# Altium PCB PCB2.PcbDoc
Units mm, origin at the board's own origin, x right, y up, seen from the top; angles counter-clockwise.
Board outline 29.7 x 75.2 mm, 2 copper layers (Top Layer, Bottom Layer); 92 components, 67 nets, 295 pads, 148 vias.
Unrouted connection lines stored in the file: 2.
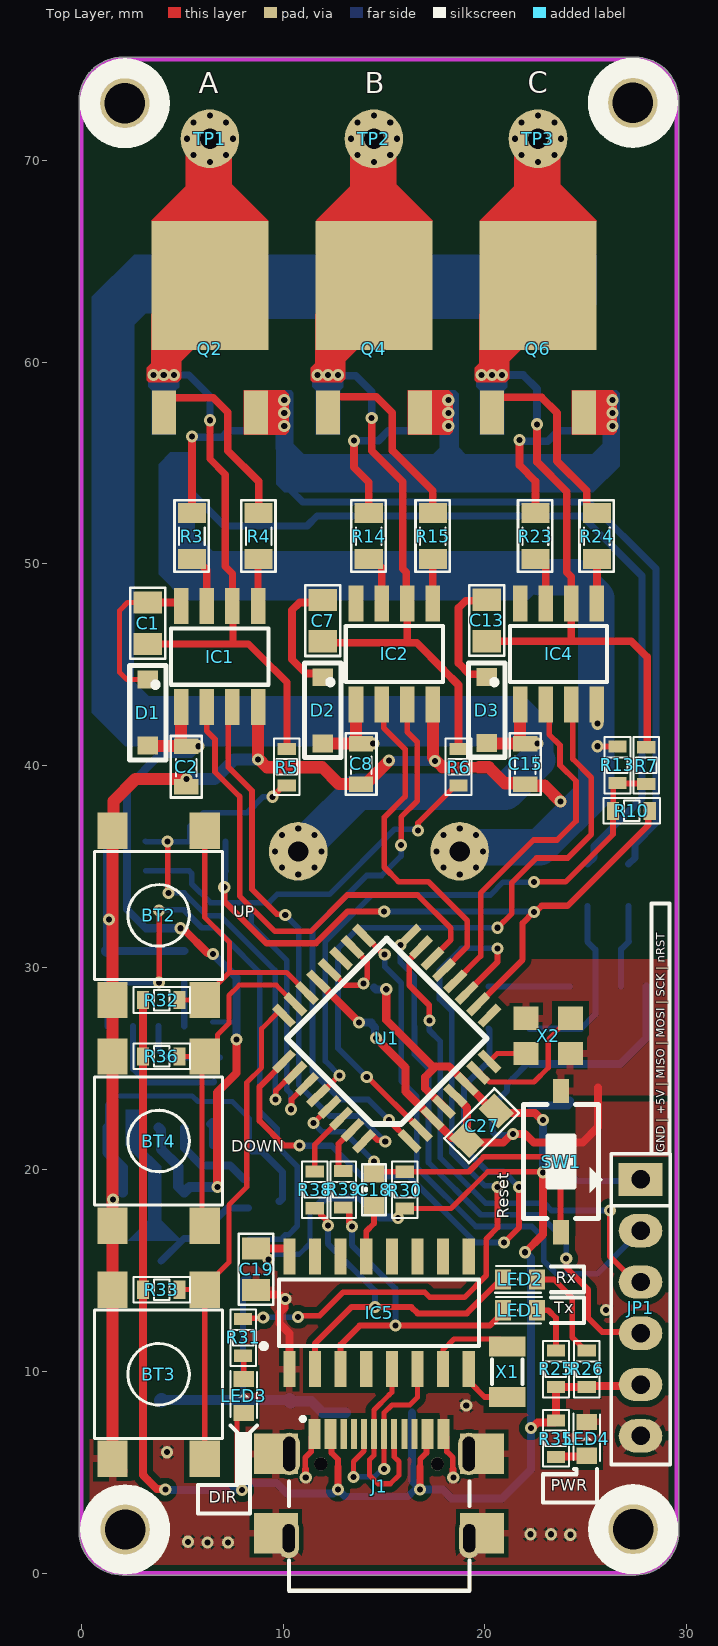
[diagram p0: Top Layer view]
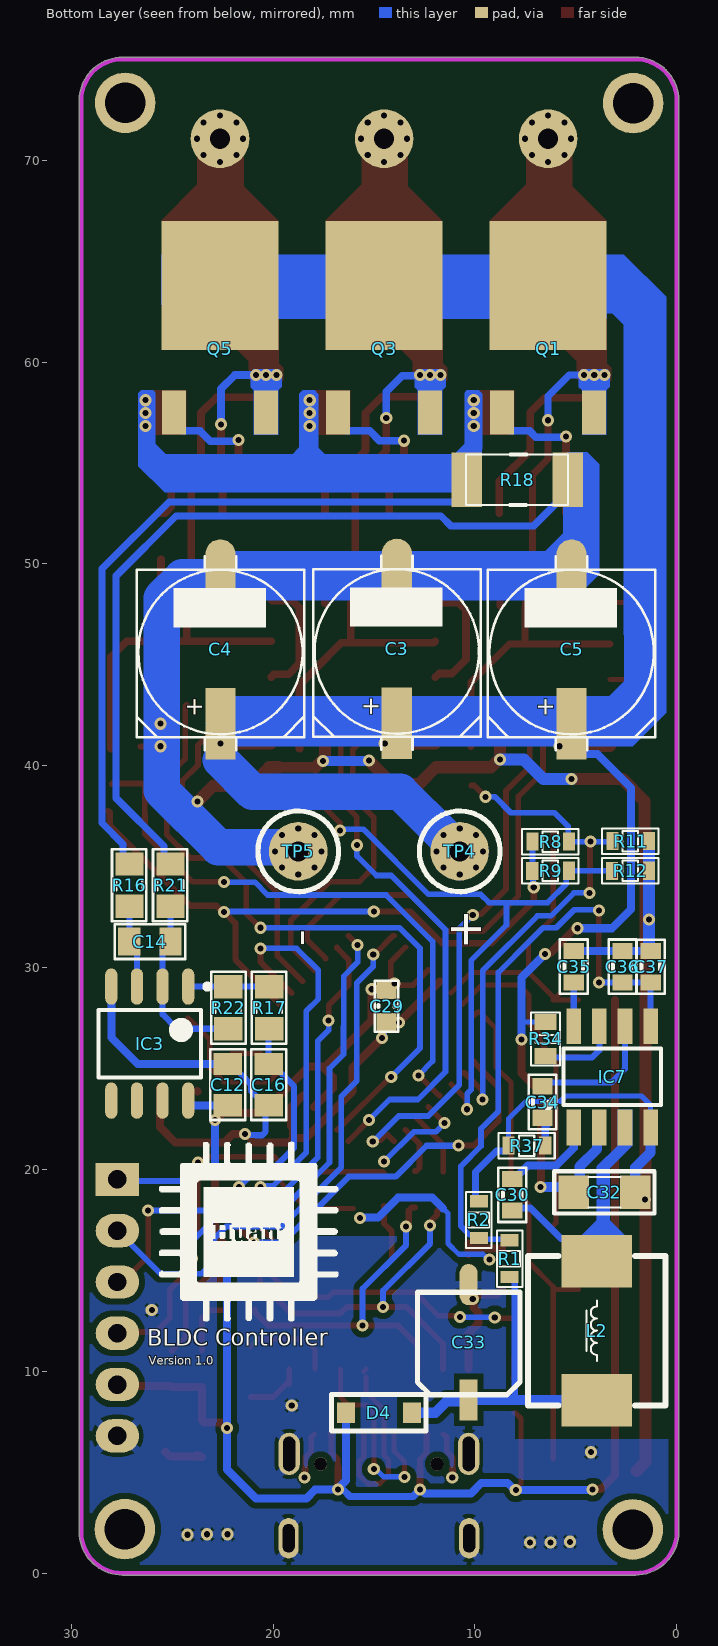
[diagram p1: Bottom Layer view, seen from below]
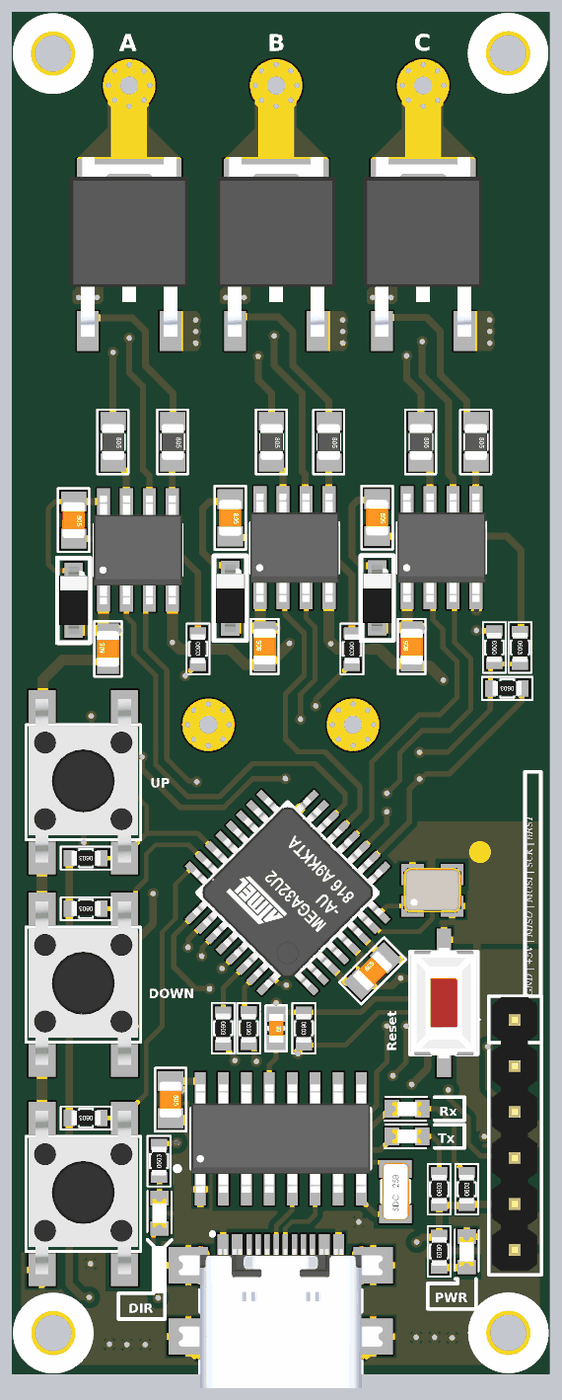
[diagram p2: 3D render of the assembled board from above, using the file's embedded part models]
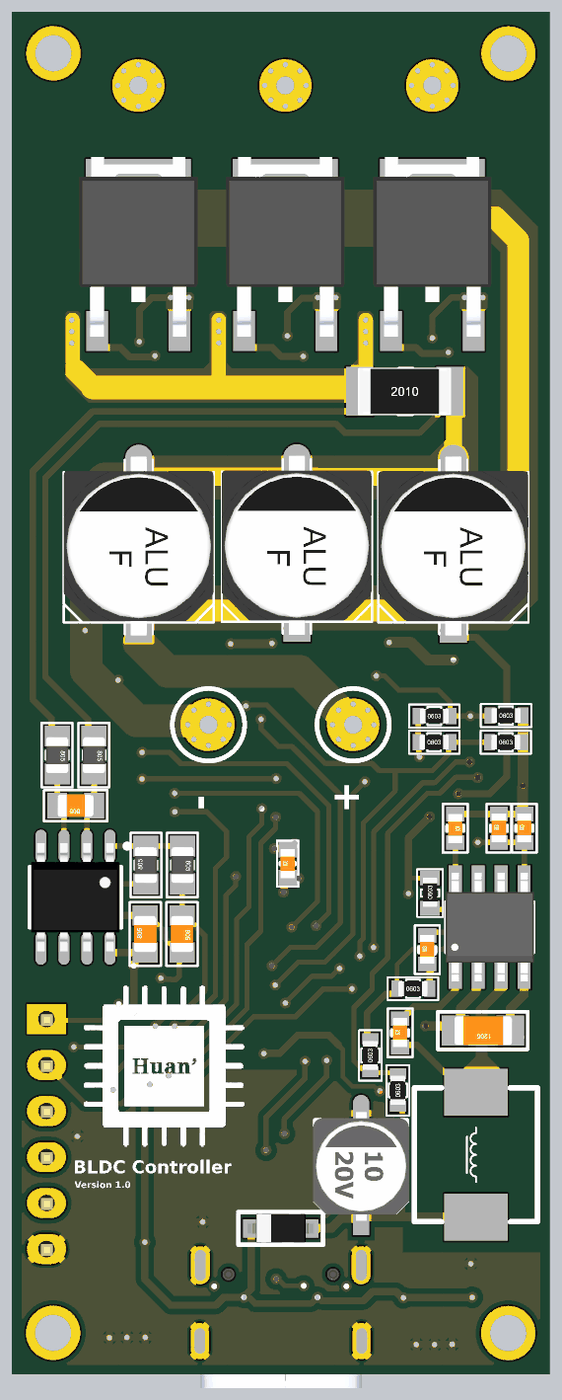
[diagram p3: 3D render of the assembled board from below, using the file's embedded part models]

## Layer stack, top to bottom
Top Solder: solder mask 0.0102, Solder Resist, Dk 3.5
Top Layer: signal copper 0.0356
Dielectric 1: dielectric 0.32, FR-4, Dk 4.8
Bottom Layer: signal copper 0.0356
Bottom Solder: solder mask 0.0102, Solder Resist, Dk 3.5

## Board outline
2.041,-0.1 27.458,-0.1 ccw(c27.458,2.042) 29.6,2.042 29.6,72.958 ccw(c27.458,72.958) 27.458,75.1 ccw(c27.458,75) 27.408,75.087 ccw(c27.358,75) 27.358,75.1 2.043,75.1 ccw(c2.043,72.957) -0.1,72.958 -0.1,2.042 ccw(c2.042,2.042)

## Design rules (kind name [scope] priority, off if disabled: settings)
Clearance [All] p1: gap=0.3 ignorepadtopadclearanceinfootprint=FALSE
DiffPairsRouting [All] p1: maxlimit=0.254 minlimit=0.2 mostfreqgap=0.25 toplayer_minwidth=0.2 toplayer_maxwidth=0.381 toplayer_prefwidth=0.25 bottomlayer_minwidth=0.2 bottomlayer_maxwidth=0.381 bottomlayer_prefwidth=0.25 maxuncoupledlength=10
PolygonConnect [All] p1: thpad.connectstyle=Relief thpad.reliefconductorwidth=0.4 thpad.reliefentries=4 thpad.polygonreliefangle="45 Angle" thpad.airgapwidth=0.2 smdpad.connectstyle=Relief smdpad.reliefconductorwidth=0.35 smdpad.reliefentries=4 smdpad.polygonreliefangle="90 Angle" smdpad.airgapwidth=0.2 via.connectstyle=Relief via.reliefconductorwidth=0.4 via.reliefentries=4 via.polygonreliefangle="90 Angle" via.airgapwidth=0.1
RoutingVias [All] p1: holewidth=0.711 width=1.27 viastyle="Through Hole" minholewidth=0.711 minwidth=1.27 maxholewidth=0.711 maxwidth=1.27
SolderMaskExpansion [All] p1: expansion=0.102 istentingtop=FALSE
Width [All] p1: maxlimit=2 minlimit=0.254 preferedwidth=0.35
29 further rules are at their usual default settings.

## Classes and differential pairs
component class phase: C1 C2 C3 C4 C5 C7 C8 C12 C13 C14 C15 C16 D1 D2 D3 IC1 IC2 IC3 IC4 Q1 Q2 Q3 Q4 Q5 Q6 R3 R4 R5 R6 R7 R8 R9 R10 R11 R12 R13 R14 R15 R16 R17 R18 R21 R22 R23 R24 TP1 TP2 TP3 TP4 TP5
component class MCU: BT2 BT3 BT4 C18 C19 C27 C29 C30 C32 C33 C34 C35 C36 C37 D4 IC5 IC7 J1 JP1 L2 LED1 LED2 LED3 LED4 R1 R2 R25 R26 R30 R31 R32 R33 R34 R35 R36 R37 R38 R39 SW1 U1 X1 X2
differential pair USB: +USB_P -USB_N

## Components (designator, comment, footprint, x,y, rotation, side; value= is the part's Value field where it differs from the comment)
BT2 "BUTTON1" SW4_SMD 3.832,32.582 r90 top value=1N4007
BT3 "BUTTON1" SW4_SMD 3.832,9.849 r90 top value=1N4007
BT4 "BUTTON1" SW4_SMD 3.832,21.406 r90 top value=1N4007
C1 "2.2uF" CN-SMD-0805 3.299,47.06 r270 top value=0,1uF/300V
C2 "10uF" SM-CAP-0805 5.204,38.805 r90 top value=0,1uF/300V
C3 "470uF/16V" CAP-ALU-SMD-F 13.865,45.663 r90 bottom
C4 "470uF/16V" CAP-ALU-SMD-F 22.606,45.632 r90 bottom
C5 "470uF/16V" CAP-ALU-SMD-F 5.207,45.632 r90 bottom
C7 "2.2uF" CN-SMD-0805 11.96,47.187 r270 top value=0,1uF/300V
C8 "10uF" SM-CAP-0805 13.865,38.932 r90 top value=0,1uF/300V
C12 "1uF" CN-SMD-0805 22.247,24.2 r90 bottom value=0,1uF/300V
C13 "2.2uF" CN-SMD-0805 20.088,47.196 r270 top value=0,1uF/300V
C14 "220nF" CN-SMD-0805 26.098,31.287 r0 bottom value=0,1uF/300V
C15 "10uF" SM-CAP-0805 21.993,38.932 r90 top value=0,1uF/300V
C16 "1nF" CN-SMD-0805 20.215,24.2 r270 bottom value=0,1uF/300V
C18 "1uF" CN-SMD-0603#1 14.5,18.993 r270 top value=0,1uF/300V
C19 "0.1uF" CN-SMD-0805 8.658,15.056 r270 top value=0,1uF/300V
C27 "0.1uF" CN-SMD-0805 19.834,22.168 r45 top value=0,1uF/300V
C29 "0.1uF" CN-SMD-0603#1 14.373,28.086 r90 bottom value=0,1uF/300V
C30 "1nF" CN-SMD-0603#2 8.15,18.739 r90 bottom value=0,1uF/300V
C32 "0.1uF" CN-SMD-1206 3.578,18.866 r0 bottom value=0,1uF/300V
C33 "47uF" "cap_A_SMD 10uF/16V" 8.404,13.532 r0 bottom
C34 "6.8nF" CN-SMD-0603#2 6.651,23.336 r90 bottom value=0,1uF/300V
C35 "0.1uF" CN-SMD-0603#2 5.102,30.042 r270 bottom value=0,1uF/300V
C36 "10uF" CN-SMD-0603#2 2.689,30.042 r90 bottom value=0,1uF/300V
C37 "10uF" CN-SMD-0603#2 1.284,30.042 r90 bottom value=0,1uF/300V
D1 "1N5822" SOD123 3.299,42.631 r0 top
D2 "1N5822" SOD123 11.96,42.742 r0 top
D3 "1N5822" SOD123 20.088,42.758 r0 top
D4 "1N5822" SOD123 14.754,7.944 r90 bottom
IC1 "IR2101S" SOIC-8 6.855,45.409 r90 top
IC2 "IR2101S" SOIC-8 15.516,45.536 r90 top
IC3 "MCP6002" SO8 26.108,26.232 r270 bottom locked value=LM358
IC4 "IR2101S" SOIC-8 23.644,45.536 r90 top
IC5 "CH340G" SOIC-16 14.754,12.897 r90 top
IC7 "MP1484" SOIC-8 3.197,24.581 r90 bottom
J1 "USB4110-GF-A_REVB" GCT_USB4110-GF-A_REVB 14.754,5.404 r0 top locked
JP1 "ICSP" JP6 27.708,19.501 r270 top locked value=JP7
L2 "1uH" L-SMD-06030-7.4x6.6X3 3.959,12.008 r180 bottom value="150 mH"
LED1 "LED SMD" SM-LED-0603 21.739,13.024 r180 top
LED2 "LED SMD" SM-LED-0603 21.739,14.548 r180 top
LED3 "LED SMD" SM-LED-0603 8.046,8.775 r90 top
LED4 "LED SMD" SM-LED-0603 25.041,6.649 r90 top
Q1 "DD8870" TO-252 6.372,63.8 r180 bottom locked
Q2 "DD8870" TO-252 6.372,63.8 r0 top locked
Q3 "DD8870" TO-252 14.5,63.8 r180 bottom locked
Q4 "DD8870" TO-252 14.5,63.8 r0 top locked
Q5 "DD8870" TO-252 22.628,63.8 r180 bottom locked
Q6 "DD8870" TO-252 22.628,63.8 r0 top locked
R1 "6.8K" RES-SMD-0603#1 8.277,15.564 r90 bottom
R2 "2.2K" RES-SMD-0603#1 9.801,17.494 r90 bottom
R3 "100R" RES-SMD-0805#1 5.483,51.378 r270 top
R4 "100R" RES-SMD-0805#1 8.785,51.378 r270 top
R5 "47K" RES-SMD-0603#1 10.182,39.948 r270 top
R6 "47K" RES-SMD-0603#1 18.691,39.948 r270 top
R7 "47K" RES-SMD-0603#1 27.987,40.024 r270 top
R8 "47K" RES-SMD-0603#1 6.262,36.239 r180 bottom
R9 "47K" RES-SMD-0603#1 6.27,34.792 r180 bottom
R10 "47K" RES-SMD-0603#1 27.276,37.764 r180 top
R11 "10K" RES-SMD-0603#1 2.293,36.263 r180 bottom
R12 "10K" RES-SMD-0603#1 2.308,34.792 r180 bottom
R13 "10K" RES-SMD-0603#1 26.565,40.024 r90 top
R14 "100R" RES-SMD-0805#1 14.246,51.378 r270 top
R15 "100R" RES-SMD-0805#1 17.421,51.378 r270 top
R16 "2.2K" RES-SMD-0805#2 27.114,34.081 r270 bottom
R17 "1K" RES-SMD-0805#2 20.185,28.01 r270 bottom
R18 "0.02R" RES-SMD-2010 7.896,54.172 r180 bottom
R21 "2.2K" RES-SMD-0805#2 25.082,34.081 r270 bottom
R22 "22K" RES-SMD-0805#2 22.217,28.01 r90 bottom
R23 "100R" RES-SMD-0805#1 22.501,51.378 r270 top
R24 "100R" RES-SMD-0805#1 25.549,51.378 r270 top
R25 "1K" RES-SMD-0603#1 23.517,10.103 r90 top
R26 "1K" RES-SMD-0603#1 25.041,10.103 r90 top
R30 "10K" RES-SMD-0603#1 16.024,18.993 r270 top
R31 "1K" RES-SMD-0603#1 8.02,11.657 r90 top
R32 "10K" RES-SMD-0603#1 3.984,28.391 r180 top
R33 "10K" RES-SMD-0603#1 3.984,14.04 r180 top
R34 "100K" RES-SMD-0603#2 6.499,26.461 r90 bottom
R35 "1K" RES-SMD-0603#1 23.517,6.674 r270 top
R36 "10K" RES-SMD-0603#1 3.984,25.597 r180 top
R37 "6.8K" RES-SMD-0603#1 7.439,21.177 r180 bottom
R38 "1K" RES-SMD-0603#1 11.571,18.999 r270 top
R39 "1K" RES-SMD-0603#1 12.976,18.993 r90 top
SW1 "SW" SW1-SMD 23.771,20.39 r90 top value="SW chip 2 pin"
TP1 "JP1P" PW-JP 6.372,71.063 r0 top locked
TP2 "JP1P" PW-JP 14.5,71.063 r0 top locked
TP3 "JP1P" PW-JP 22.628,71.063 r0 top locked
TP4 "JP1P" PW-JP 10.75,35.757 r270 bottom
TP5 "JP1P" PW-JP 18.75,35.757 r270 bottom
U1 "Atmega-328" TQFP32 15.135,26.486 r135 top
X1 "12Mhz" XTAL_3215 21.104,9.976 r90 top value=4Mhz
X2 "16Mhz" "XT4 SMD 3225" 23.136,26.613 r0 top

## Footprints (in the part's own frame and the unit in brackets; to place one, negate y for a bottom-side part, rotate by r counter-clockwise, add the part's x,y. Pads: shape width x height; smd on the part's side, far side on the other; paste and mask are expansions set on the pad)
CAP-ALU-SMD-F [mil]
  rect 140x59.06 smd: 1(-140,0)
  oval 140x59.06 smd: 2(150,0)
  silkscreen extent -192,-163 187,163, body extent -195,-163 195,163, height 402
"cap_A_SMD 10uF/16V" [mil]
  rect 35x80 smd: 1(75,195)
  oval 35x80 smd: 2(75,-30)
  silkscreen extent -25,-15 175,185, body extent -29,-33 179,203, height 232
CN-SMD-0603#1 [mm]
  rect 0.9x1 smd: 1(-0.8,0) 2(0.8,0)
  silkscreen extent -1.27,-0.58 1.27,0.58, body extent -0.8,-0.4 0.8,0.4, height 0.3
CN-SMD-0603#2 [mm]
  rect 0.8x1 smd: 1(-0.781,0) 2(0.781,0)
  silkscreen extent -1.35,-0.69 1.35,0.69, body extent -0.78,-0.4 0.82,0.4, height 0.3
CN-SMD-0805 [mm]
  rect 1.1x1.4 smd: 1(-1.025,0) 2(1.025,0)
  silkscreen extent -1.75,-0.86 1.75,0.86, body extent -1,-0.62 1,0.62, height 0.8
CN-SMD-1206 [mil]
  rect 60x65 smd: 1(-60,0) 2(60,0)
  silkscreen extent -98,-41 98,41, body extent -64,-31 62,31, height 40
GCT_USB4110-GF-A_REVB [mm]
  rect 0.6x1.5 smd: A1/B12(-3.2,1.481) A4/B9(-2.4,1.481) B1/A12(3.2,1.481) B4/A9(2.4,1.481)
  rect 0.3x1.5 smd: A5(-1.25,1.481) A6(-0.25,1.481) A7(0.25,1.481) A8(1.25,1.481) B5(1.75,1.481) B6(0.75,1.481) B7(-0.75,1.481) B8(-1.75,1.481)
  rect 2.18x2 smd: S1(-5.11,0.5) S2(5.11,0.5) S3(-5.11,-3.43) S4(5.11,-3.43)
  oval 1.05x2.1 hole 0.6 slot 1.7 at 90 deg: S1(-4.447,0.5) S4(4.447,0.5)
  oval 1x2 hole 0.6 slot 1.4 at 90 deg: S2(-4.472,-3.68) S3(4.472,-3.68)
  round 0.65 hole 0.65 unplated: ""(-2.89,0) ""(2.89,0)
  silkscreen extent -4.47,-6.28 4.47,2.33, body extent -5.65,-6.28 5.65,1.4, height 3.36
JP6 [mil] "JP6"
  rect 65x85 hole 36: 1(0,0)
  oval 65x85 hole 36: 2(100,0) 3(200,0) 4(300,0) 5(400,0) 6(500,0)
  silkscreen extent -50,-99 556,58, body extent -48,-50 548,48, height 323
L-SMD-06030-7.4x6.6X3 [mm]
  rect 3.5x2.6 smd: 1(0,3.45) 2(0,-3.45)
  silkscreen extent -3.4,-3.7 3.4,3.7, body extent -3.4,-4.1 3.4,4.1, height 3
PW-JP [mm]
  round 2.9 hole 1: 1(0,0)
RES-SMD-0603#1 [mm]
  rect 0.6x0.9 smd: 1(-0.889,0) 2(0.927,0)
  silkscreen extent -1.4,-0.64 1.4,0.64, body extent -0.8,-0.4 0.8,0.4, height 0.43
RES-SMD-0603#2 [mm]
  rect 0.8x1.1 smd: 1(-0.838,0) 2(0.838,0)
  silkscreen extent -1.32,-0.71 1.32,0.71, body extent -0.75,-0.4 0.85,0.4, height 0.43
RES-SMD-0805#1 [mil]
  rect 39.37x55 smd: 1(-45,0) 2(45,0)
  silkscreen extent -70,-34 70,33, body extent -39,-25 39,25, height 31
RES-SMD-0805#2 [mil]
  rect 45.28x55 smd: 1(-41.06,0) 2(41.06,0)
  silkscreen extent -70,-34 70,33, body extent -39,-25 39,25, height 31
RES-SMD-2010 [mm] "Chip Capacitor, Body 3.2x2.5mm, IPC Medium Density"
  rect 1.5x2.7 smd: 1(-2.5,0) 2(2.5,0)
  silkscreen extent -2.54,-1.26 2.5,1.25, body extent -2.5,-1.25 2.5,1.25, height 0.6
SM-CAP-0805 [mil]
  rect 30x47.24 smd: 1(6,0) 2(85,0)
  silkscreen extent -15,-30 105,30, body extent 6,-25 84,25, height 31
SM-LED-0603 [mm]
  rect 0.8x1 smd: 1(-0.838,0) 2(0.838,0)
  silkscreen extent -1.09,-0.66 1.24,0.66, body extent -0.8,-0.39 0.8,0.39, height 0.7
SO8 [mm] "SOIC, 8-Leads, Body 4.9x3.9mm, Pitch 1.27mm, IPC High Density"
  oval 1.8x0.6 smd: 1(-2.825,1.905) 2(-2.825,0.635) 3(-2.825,-0.635) 4(-2.825,-1.905) 5(2.825,-1.905) 6(2.825,-0.635) 7(2.825,0.635) 8(2.825,1.905)
  silkscreen extent -2.95,-2.55 1.68,2.98, body extent -2.99,-2.45 3,2.45, height 1.6
SOD123 [mm]
  rect 1.02x0.88 smd: 1(0,-1.635) 2(0,1.635)
  silkscreen extent -0.9,-2.34 0.9,2.34, body extent -0.8,-1.85 0.81,1.85, height 1.27
SOIC-8 [mm]
  rect 1.78x0.72 smd: 1(-2.51,1.905) 2(-2.51,0.635) 3(-2.51,-0.635) 4(-2.51,-1.905) 5(2.51,-1.905) 6(2.51,-0.635) 7(2.51,0.635) 8(2.51,1.905)
  silkscreen extent -1.52,-2.41 1.4,3.3, body extent -2.99,-2.45 2.99,2.45, height 1.35
SOIC-16 [mm]
  rect 1.78x0.6 smd: 1(-2.794,4.445) 2(-2.794,3.175) 3(-2.794,1.905) 4(-2.794,0.635) 5(-2.794,-0.635) 6(-2.794,-1.905) 7(-2.794,-3.175) 8(-2.794,-4.445) 9(2.794,-4.445) 10(2.794,-3.175) 11(2.794,-1.905) 12(2.794,-0.635) 13(2.794,0.635) 14(2.794,1.905) 15(2.794,3.175) 16(2.794,4.445)
  silkscreen extent -1.78,-4.95 1.65,5.84, body extent -2.99,-4.95 2.99,4.95, height 1.35
SW1-SMD [mm]
  rect 1.2x0.8 smd: 1(-3.5,0) 2(3.5,0)
  silkscreen extent -2.82,-1.85 2.82,1.85, body extent -3.05,-1.85 3.05,1.85, height 2.5
SW4_SMD [mm] "SW SMD button 4pin, 250 x250 mil"
  rect 1.8x1.5 smd: 1(-4.191,2.286) 1(4.191,2.286) 2(-4.191,-2.286) 2(4.191,-2.286)
  silkscreen extent -3.18,-3.18 3.18,3.18, body extent -4.43,-3.02 4.58,3.02, height 6
TO-252 [mm]
  rect 1.2x2.2 smd: 1(-2.28,-6.3) 3(2.28,-6.3)
  rect 5.8x6.4 smd: 2(0,0)
  body extent -3.27,-6.61 3.27,3.3, height 2.75
TQFP32 [mm]
  rect 1.3x0.4 smd: 1(-4.4,2.8) 2(-4.4,2) 3(-4.4,1.2) 4(-4.4,0.4) 5(-4.4,-0.4) 6(-4.4,-1.2) 7(-4.4,-2) 8(-4.4,-2.8) 17(4.4,-2.8) 18(4.4,-2) 19(4.4,-1.2) 20(4.4,-0.4) 21(4.4,0.4) 22(4.4,1.2) 23(4.4,2) 24(4.4,2.8)
  rect 0.4x1.3 smd: 9(-2.8,-4.4) 10(-2,-4.4) 11(-1.2,-4.4) 12(-0.4,-4.4) 13(0.4,-4.4) 14(1.2,-4.4) 15(2,-4.4) 16(2.8,-4.4) 25(2.8,4.4) 26(2,4.4) 27(1.2,4.4) 28(0.4,4.4) 29(-0.4,4.4) 30(-1.2,4.4) 31(-2,4.4) 32(-2.8,4.4)
  silkscreen extent -3.5,-3.5 3.5,3.5, body extent -4.5,-4.5 4.5,4.5, height 1.3
"XT4 SMD 3225" [mm]
  rect 1.25x1.15 smd: 1(-1.1,-0.875) 2(1.1,-0.875) 3(1.1,0.875) 4(-1.1,0.875)
  body extent -1.6,-1.24 1.6,1.26, height 0.61
XTAL_3215 [mm]
  rect 1x1.8 smd: 1(-1.25,0) 2(1.25,0)
  silkscreen extent -0.6,-0.75 0.6,0.75, body extent -1.6,-0.75 1.6,0.75, height 0.81

## Part data
C1 C2 C7 C8 C12 C13 C14 C15 C16 C18 C19 C27 C29 C30 C32 C34 C35 C36 C37: library part "CAP SMD", "CAP SMD", Designed by=VanDungEvn
C3 C4 C5: library part CAP-ALU-SMD, "CAP-ALU-SMD", LatestRevisionDate=17-Jul-2002, LatestRevisionNote="Re-released for DXP Platform.", PackageReference=POLAR0.8, Published=8-Jun-2000, Publisher="Altium Limited"
C33: library part CAP_Radial1, "CAP_Radial1"
D1 D2 D3 D4: library part "Diode Schottky", "Diode Schottky", Part Number="LED 3 ly Single Colour"
IC3: library part LM358, "Low-Power Dual Operational Amplifier"
IC7: "3A, 18V, 340KHz Synchronous Rectified  / Step-Down Converter"
J1: "USB-C (USB TYPE-C) USB 2.0 Receptacle Connector 24 (16+8 Dummy) Position Surface Mount, Right Angle; Through Hole", Package=None, Availability=Warning, Check_prices=https://www.snapeda.com/parts/USB4110-GF-A/Global%20Connector%20Technology/view-part/4001167/?ref=eda, MF=GCT, MP=USB4110-GF-A, Price=None, Purchase-URL=https://pricing.snapeda.com/search/part/USB4110-GF-A/?ref=eda, SnapEDA_Link=https://www.snapeda.com/parts/USB4110-GF-A/Global%20Connector%20Technology/view-part/4001167/?ref=snap
JP1: library part JP6, "JP6 PIN"
L2: library part inductor-SMD, "inductor-SMD"
LED1 LED2 LED3 LED4: library part LED-SMD-0805
Q1 Q2 Q3 Q4 Q5 Q6: library part MOSFET-N, "MOSFET N chane"
R1 R2 R3 R4 R5 R6 R7 R8 R9 R10 R11 R12 R13 R14 R15 R16 R17 R18 R21 R22 R23 R24 R25 R26 R30 R31 R32 R33 R34 R35 R36 R37 R38 R39: library part Res-SMD, "Resistor", Manufacturer="Generic Components", Class=Passive, Published=08/06/2000, Publisher="Altium Hobart Technology Centre"
SW1: library part SW2, "Switch button 2 pin"
U1: library part Atmega328P-SMD, "Atmega328psmd"
X1: library part XTAL, "crystal"
X2: library part "XTAL SMD 4PIN", "XTAL SMD 3225, 12MHz, Cl=18pF, Tol: ±30ppm, Stab: ±30ppm"

## Free pads (board coordinates)
  round 3 hole 2: ""(2.159,72.827) ""(2.173,2.159) ""(27.327,72.841) ""(27.341,2.173)

## Via types
v1: diameter 0.6, hole 0.3, Top Layer to Bottom Layer, tented both sides, 148 vias

## Nets (pads, with @x,y where several pads share a name; then routed paths per layer and width w, separated by ;. In a path a pad name is that pad's centre, name@x,y a point inside that pad or via, vN(x,y) a via of type N, cw(c..) or ccw(c..) an arc to the next point about the centre after c; other vN are vias at no path point)
+5V: C12.1 C19.1 C27.2 C29.2 D4.2 IC3.8 IC5.16 J1.A4/B9 J1.B4/A9 JP1.5 LED3.1 R25.1 R26.1 R30.2 R32.2 R33.2 R35.1 R36.2 U1.4 U1.6 U1.18 U1.20 | length 123.2
  Top Layer w0.254: v1(7.972,4.109) 7.972,4.176 7.718,4.43 7.718,7.664 7.991,7.937 LED3.1 ; J1.A4/B9@12.327,6.912 J1.A4/B9 ; R30.2 18.324,18.066 20.14,19.882 22.857,19.882 v1(22.882,19.857)
  Top Layer w0.28: U1.20 13.058,29.128 13.83,29.128 13.905,29.204 v1(13.992,29.204) 13.992,29.29 14.161,29.459 14.161,30.288 U1.18 ; 12.404,5.96 12.722,5.642 12.722,5.277 ; 16.786,5.277 16.786,5.642 17.104,5.96
  Top Layer w0.3: J1.A4/B9 12.404,6.835 12.404,5.96 ; 17.104,5.96 17.104,6.835 J1.B4/A9
  Top Layer w0.35: v1(12.722,4.134) 12.722,5.277 ; v1(16.786,4.134) 16.786,5.277
  Top Layer w0.4: R32.2 R33.2 3.058,4.851 3.292,4.617 3.295,4.617 3.74,4.172 4.124,4.172 v1(4.162,4.134) ; C19.1 10.209,16.081 IC5.16@10.309,16.181 ; IC5.16@10.309,15.8 IC5.16@10.309,16.181 ; IC5.16@10.309,16.326 IC5.16@10.309,16.181 ; v1(15.11,28.924) 15.11,27.4 17.485,25.026 ; U1.4 17.04,24.015 17.04,24.581 17.485,25.026 ; C27.2@20.432,22.886 U1.6 18.229,25.089 17.548,25.089 17.485,25.026 ; C27.2 20.665,22.787 22.487,22.787 22.826,22.447 v1(22.88,22.447) ; v1(21.993,15.894) 22.871,16.772 22.871,19.846 v1(22.882,19.857) ; v1(22.272,7.182) 22.327,7.182 22.608,7.463 23.417,7.463 R35.1 R25.1 R26.1 25.105,9.278 27.645,9.278 JP1.5
  Bottom Layer w0.254: v1(9.274,15.531) 9.333,15.531 9.596,15.795 10.794,15.795 11.327,16.328 11.327,17.827 11.571,18.072
  Bottom Layer w0.35: v1(12.722,4.134) 13.052,3.804 16.202,3.804 16.484,4.086 16.738,4.086 v1(16.786,4.134)
  Bottom Layer w0.4: v1(4.162,4.134) 4.175,4.121 7.96,4.121 v1(7.972,4.109) 8.026,4.109 8.374,4.456 9.682,4.456 10.195,3.944 12.477,3.944 12.668,4.134 v1(12.722,4.134) ; 11.571,18.072 12.111,18.612 13.798,18.612 14.789,17.62 15.665,17.62 v1(15.689,17.596) ; C29.2@14.5,29.013 14.608,28.905 15.091,28.905 v1(15.11,28.924) ; D4.2 16.389,4.585 16.786,4.188 v1(16.786,4.134) 17.91,4.134 18.342,3.702 20.85,3.702 22.272,5.125 v1(22.272,7.182) 22.272,15.615 v1(21.993,15.894) ; C12.1 24.11,23.175 24.203,23.267 IC3.8 ; v1(22.882,19.857) v1@22.881,22.447
DIR: BT2.2 R32.1 U1.22 | length 15.4
  Top Layer w0.254: R32.1 6.118,28.391 BT2.2@5.839,28.67 ; BT2.2@5.839,36.494 BT2.2@6.118,36.773 ; BT2.2@6.118,28.541 7.34,29.763 ; BT2.2@6.118,36.671 6.118,32.48 7.34,31.259 7.34,29.763 ; U1.22 10.161,29.763 7.34,29.763
DOWN: BT4.2 R36.1 U1.23 | length 17.2
  Top Layer w0.254: R36.1 BT4.2@6.118,25.597 ; BT4.2@6.118,17.215 5.976,17.357 5.976,25.455 BT4.2@6.118,25.597 ; U1.23 9.665,29.128 7.824,29.128 7.312,28.616 7.312,27.223 6.741,26.652 6.741,26.22 BT4.2@6.118,25.597